# Altium PCB dcb_split_v2.PcbDoc (part 1 of 3) (continued)
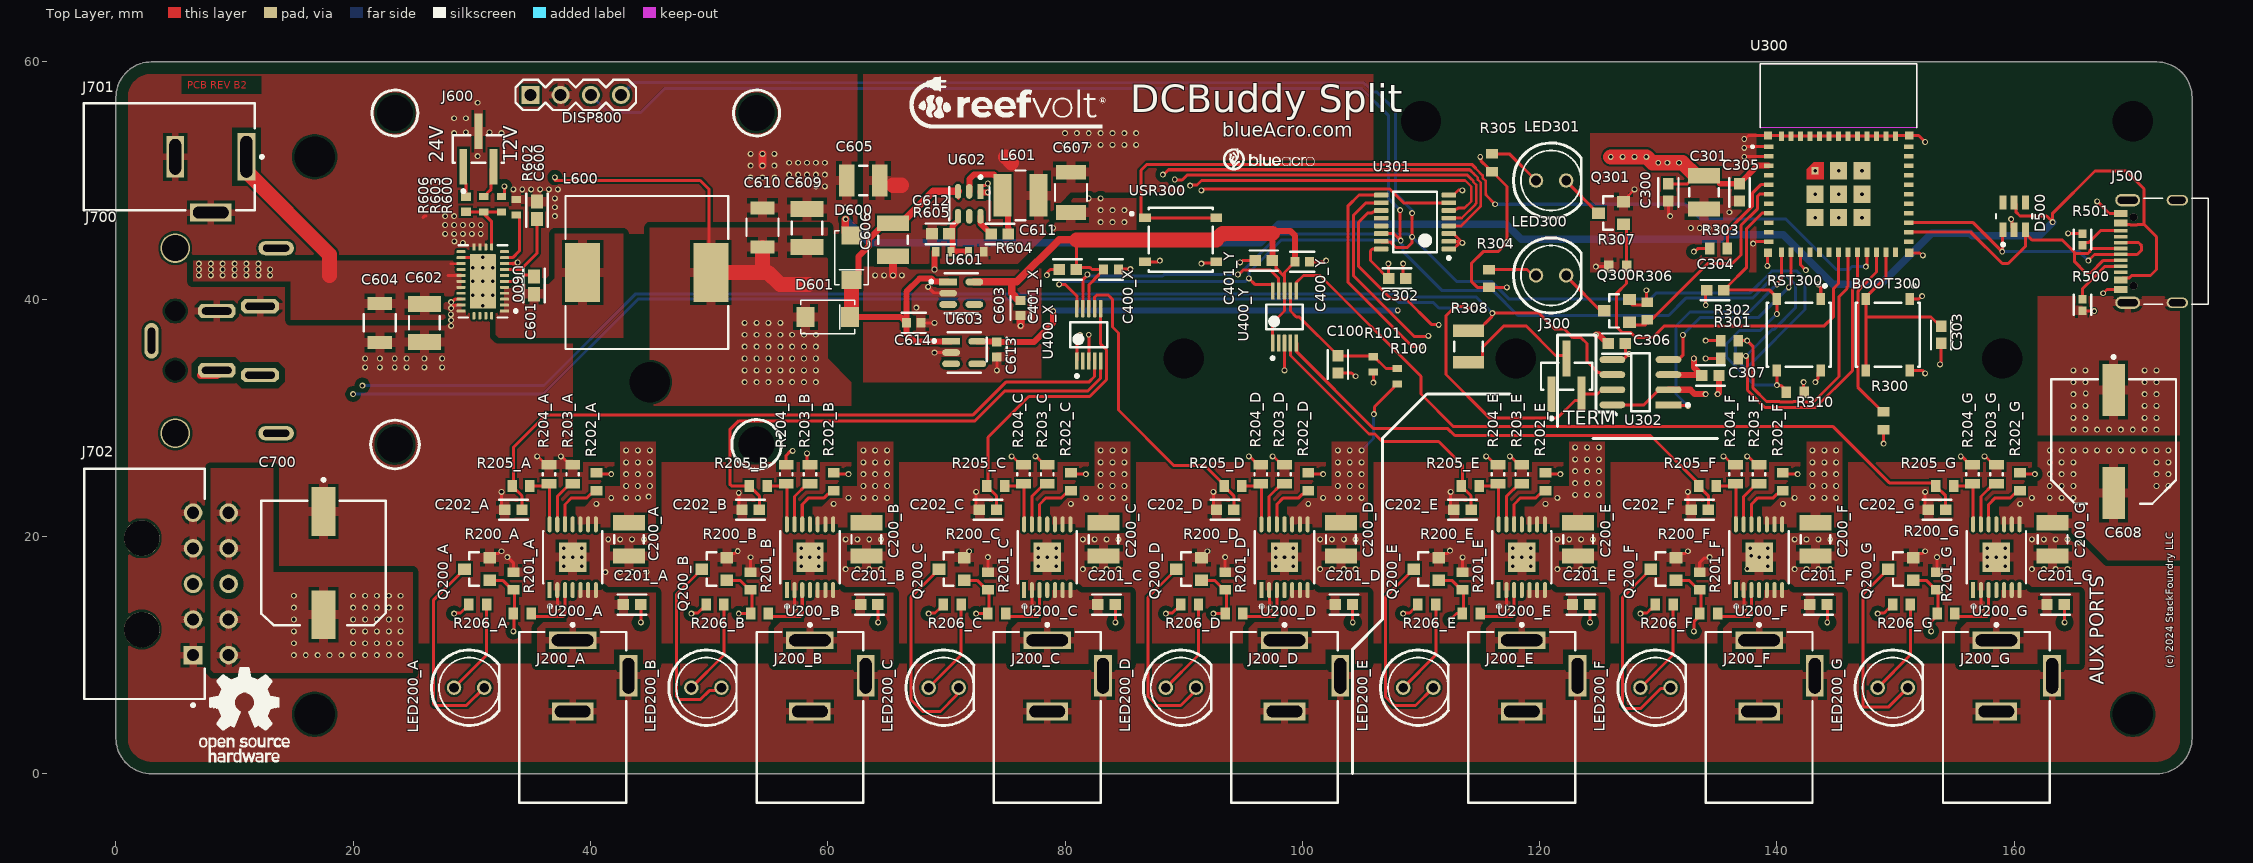
[diagram p0: Top Layer view]
## Classes and differential pairs
net class HV: VIN VO_A VO_B VO_C VO_D VO_E VO_F VO_G
component class U_dcb_i2c_ext: DISP800
channel class dcb_single_channel: A B C D E F G
channel class dcb_lite_adc: X Y
component class U_usb_input: D500 J500 R500 R501
component class U_dcdc_60v_12v: C600 C601 C602 C603 C604 C605 C606 C607 C608 C609 C610 C611 C612 C613 C614 D600 D601 J600 L600 L601 R600 R602 R603 R604 R605 R606 U600 U601 U602 U603
component class U_dcb_single_input: C700 J700 J701 J702
component class U_dcb_lite_logic: BOOT300 C300 C301 C302 C303 C304 C305 C306 C307 J300 LED300 LED301 Q300 Q301 R300 R301 R302 R303 R304 R305 R306 R307 R308 R310 RST300 U300 U301 U302 USR300
component class dcb_top: C100 R100 R101
component class G: C200_G C201_G C202_G J200_G LED200_G Q200_G R200_G R201_G R202_G R203_G R204_G R205_G R206_G U200_G
component class F: C200_F C201_F C202_F J200_F LED200_F Q200_F R200_F R201_F R202_F R203_F R204_F R205_F R206_F U200_F
component class E: C200_E C201_E C202_E J200_E LED200_E Q200_E R200_E R201_E R202_E R203_E R204_E R205_E R206_E U200_E
component class D: C200_D C201_D C202_D J200_D LED200_D Q200_D R200_D R201_D R202_D R203_D R204_D R205_D R206_D U200_D
component class C: C200_C C201_C C202_C J200_C LED200_C Q200_C R200_C R201_C R202_C R203_C R204_C R205_C R206_C U200_C
component class B: C200_B C201_B C202_B J200_B LED200_B Q200_B R200_B R201_B R202_B R203_B R204_B R205_B R206_B U200_B
component class A: C200_A C201_A C202_A J200_A LED200_A Q200_A R200_A R201_A R202_A R203_A R204_A R205_A R206_A U200_A
component class Y: C400_Y C401_Y U400_Y
component class X: C400_X C401_X U400_X

## Components (designator, comment, footprint, x,y, rotation, side; value= is the part's Value field where it differs from the comment)
BOOT300 "PTS526SK15SMTR2LFS" FP-PTS526SK15SMTR2LFS-MFG 149.35,37 r270 top
C100 "CAP 1uF 10V X7R 0603" FP-CL10-IPC_B 103,34.5 r270 top
C200_A "CAP 4.7uF 50V X7R 1210" CAPC3225X20N 43.25,19.75 r90 top value=4.7uF (schematic designator C200)
C200_B "CAP 4.7uF 50V X7R 1210" CAPC3225X20N 63.25,19.75 r90 top value=4.7uF (schematic designator C200)
C200_C "CAP 4.7uF 50V X7R 1210" CAPC3225X20N 83.25,19.75 r90 top value=4.7uF (schematic designator C200)
C200_D "CAP 4.7uF 50V X7R 1210" CAPC3225X20N 103.25,19.75 r90 top value=4.7uF (schematic designator C200)
C200_E "CAP 4.7uF 50V X7R 1210" CAPC3225X20N 123.25,19.75 r90 top value=4.7uF (schematic designator C200)
C200_F "CAP 4.7uF 50V X7R 1210" CAPC3225X20N 143.25,19.75 r90 top value=4.7uF (schematic designator C200)
C200_G "CAP 4.7uF 50V X7R 1210" CAPC3225X20N 163.25,19.75 r90 top value=4.7uF (schematic designator C200)
C201_A "CAP 0.1uF 50V X7R 0603" FP-CL10-IPC_B 43.5,14.25 r0 top value=0.1uF (schematic designator C201)
C201_B "CAP 0.1uF 50V X7R 0603" FP-CL10-IPC_B 63.5,14.25 r0 top value=0.1uF (schematic designator C201)
C201_C "CAP 0.1uF 50V X7R 0603" FP-CL10-IPC_B 83.5,14.25 r0 top value=0.1uF (schematic designator C201)
C201_D "CAP 0.1uF 50V X7R 0603" FP-CL10-IPC_B 103.5,14.25 r0 top value=0.1uF (schematic designator C201)
C201_E "CAP 0.1uF 50V X7R 0603" FP-CL10-IPC_B 123.5,14.25 r0 top value=0.1uF (schematic designator C201)
C201_F "CAP 0.1uF 50V X7R 0603" FP-CL10-IPC_B 143.5,14.25 r0 top value=0.1uF (schematic designator C201)
C201_G "CAP 0.1uF 50V X7R 0603" FP-CL10-IPC_B 163.5,14.25 r0 top value=0.1uF (schematic designator C201)
C202_A "CAP 0.1uF 50V X7R 0603" FP-CL10-IPC_B 33.5,22.25 r180 top value=0.1uF (schematic designator C202)
C202_B "CAP 0.1uF 50V X7R 0603" FP-CL10-IPC_B 53.5,22.25 r180 top value=0.1uF (schematic designator C202)
C202_C "CAP 0.1uF 50V X7R 0603" FP-CL10-IPC_B 73.5,22.25 r180 top value=0.1uF (schematic designator C202)
C202_D "CAP 0.1uF 50V X7R 0603" FP-CL10-IPC_B 93.5,22.25 r180 top value=0.1uF (schematic designator C202)
C202_E "CAP 0.1uF 50V X7R 0603" FP-CL10-IPC_B 113.5,22.25 r180 top value=0.1uF (schematic designator C202)
C202_F "CAP 0.1uF 50V X7R 0603" FP-CL10-IPC_B 133.5,22.25 r180 top value=0.1uF (schematic designator C202)
C202_G "CAP 0.1uF 50V X7R 0603" FP-CL10-IPC_B 153.5,22.25 r180 top value=0.1uF (schematic designator C202)
C300 "CAP 0.1uF 50V X7R 0603" FP-CL10-IPC_B 130.85,49 r270 top value=0.1uF
C301 "CAP 4.7uF 50V X7R 1210" CAPC3225X20N 133.85,49 r90 top value=4.7uF
C302 "CAP 1uF 10V X7R 0603" FP-CL10-IPC_B 108,41.75 r0 top
C303 "CAP 0.1uF 50V X7R 0603" FP-CL10-IPC_B 153.85,37 r270 top value=0.1uF
C304 "CAP 1uF 10V X7R 0603" FP-CL10-IPC_B 134.806,40.758 r180 top
C305 "CAP 0.1uF 50V X7R 0603" FP-CL10-IPC_B 136.85,49 r270 top value=0.1uF
C306 "CAP 0.1uF 50V X7R 0603" FP-CL10-IPC_B 126.5,36.25 r180 top value=0.1uF
C307 "CAP 0.1uF 50V X7R 0603" FP-CL10-IPC_B 134.4,33.571 r0 top value=0.1uF
C400_X "CAP 4.7uF 0603 6.3V X7R" FP-CL10-IPC_C 83.873,42.5 r0 top value=4.7uF (schematic designator C400)
C400_Y "CAP 4.7uF 0603 6.3V X7R" FP-CL10-IPC_C 100,43.151 r0 top value=4.7uF (schematic designator C400)
C401_X "CAP 0.1uF 50V X7R 0603" FP-CL10-IPC_B 80.227,42.5 r180 top value=0.1uF (schematic designator C401)
C401_Y "CAP 0.1uF 50V X7R 0603" FP-CL10-IPC_B 96.75,43.25 r180 top value=0.1uF (schematic designator C401)
C600 "CAP 2.2uF 0603 16V X6S" FP-C1608-080-0_1-IPC_A 35.5,47.5 r90 top value=2.2uF
C601 "CAP 0.47uF 50V 0603" FP-C1608-080-0_1-IPC_A 35.25,41.159 r90 top value=470nF
C602 "CAP 0.47uF 1210 50V X7R" CAPC1210(3225)230_M 26,38 r90 top value=470nF
C603 "CAP 4.7uF 0603 6.3V X7R" FP-CL10-IPC_C 76.25,39.25 r270 top value=4.7uF
C604 "CAP 10uF 1210 63V X7R" FP-GRM32E-0_2-0_3-MFG 22.25,38 r270 top value=10uF
C605 "CAP 4.7uF 50V X7R 1210" CAPC3225X20N 63,50 r0 top value=4.7uF
C606 "CAP 4.7uF 50V X7R 1210" CAPC3225X20N 65.5,45 r90 top value=4.7uF
C607 "CAP 22uF 25V 1210 X7R" FP-1210-L_3_2_0_3-W_2_5_0-MFG 80.5,49 r270 top value=22uF
C608 "CAP 120uF 35V Poly 10mm" FP-OS-CON-SMT-F12-MFG 168.388,28 r270 top value=120uF
C609 "CAP 0.47uF 1210 50V X7R" CAPC1210(3225)230_M 58.25,46 r270 top value=470nF
C610 "CAP 10uF 1210 63V X7R" FP-GRM32E-0_2-0_3-MFG 54.5,46.05 r90 top value=10uF
C611 "CAP 0.1uF 50V X7R 0603" FP-CL10-IPC_B 74.5,45.5 r0 top value=0.1uF
C612 "C0603C560J5GACTU" FP-C0603C-CF-IPC_B 69.5,45.5 r0 top value=56pF
C613 "CAP 4.7uF 0603 6.3V X7R" FP-CL10-IPC_C 74.25,35.75 r270 top value=4.7uF
C614 "CAP 4.7uF 0603 6.3V X7R" FP-CL10-IPC_C 67.25,38 r0 top value=4.7uF
C700 "CAP 56uF 63V Poly 10mm" FP-FKG-MFG 17.5,17.75 r270 top value=56uF
D500 "USBLC6-4SC6" FP-SOT23-6L-MFG 160,47 r90 top value=4pF
D600 "SS14" SMA 62,43.5 r90 top
D601 "SS14" SMA 60,38.5 r180 top
DISP800 "OLED_1_3_CARRIERBOARD" OLED_1_3_CARRIERBOARD-Footprint-1 34.95,57.214 r0 top locked
J200_A "PJ-0XX" CUI-PJ-002A_V 38.5,8.25 r270 top (schematic designator J200)
J200_B "PJ-0XX" CUI-PJ-002A_V 58.5,8.25 r270 top (schematic designator J200)
J200_C "PJ-0XX" CUI-PJ-002A_V 78.5,8.25 r270 top (schematic designator J200)
J200_D "PJ-0XX" CUI-PJ-002A_V 98.5,8.25 r270 top (schematic designator J200)
J200_E "PJ-0XX" CUI-PJ-002A_V 118.5,8.25 r270 top (schematic designator J200)
J200_F "PJ-0XX" CUI-PJ-002A_V 138.5,8.25 r270 top (schematic designator J200)
J200_G "PJ-0XX" CUI-PJ-002A_V 158.5,8.25 r270 top (schematic designator J200)
J300 "M50-3630342R" FP-M50-3630342R-MFG 122.27,33.5 r0 top
J500 "10155435-00011LF" AMPHENOL_10155435-00011LF 173.75,44.021 r90 top
J600 "M50-3630342R" FP-M50-3630342R-MFG 30.554,52.651 r0 top
J700 "DIN4PWR" PD40S 3,36.5 r90 top
J701 "PJ-0XX" CUI-PJ-002A_V 8,52 r180 top
J702 "43045-1001" FP-43045-1001-MFG 2.535,16 r270 top
L600 "IHLP5050FDER100M01" FP-IHLP-5050FD-FP_2_945x4-MFG 44.75,42.25 r0 top value=10uH
L601 "SRN4018-4R7M" FP-SRN4018-MFG 76.25,48.75 r0 top value=4.7uH
LED200_A "LED_INDICATOR" LED5MM 31.04,7.25 r0 top (schematic designator LED200)
LED200_B "LED_INDICATOR" LED5MM 51.04,7.25 r0 top (schematic designator LED200)
LED200_C "LED_INDICATOR" LED5MM 71.04,7.25 r0 top (schematic designator LED200)
LED200_D "LED_INDICATOR" LED5MM 91.04,7.25 r0 top (schematic designator LED200)
LED200_E "LED_INDICATOR" LED5MM 111.04,7.25 r0 top (schematic designator LED200)
LED200_F "LED_INDICATOR" LED5MM 131.04,7.25 r0 top (schematic designator LED200)
LED200_G "LED_INDICATOR" LED5MM 151.04,7.25 r0 top (schematic designator LED200)
LED300 "LED_INDICATOR" LED5MM 122.24,42 r0 top
LED301 "LED_INDICATOR" LED5MM 122.24,50 r0 top
Q200_A "NFET" SOT23-3 30.5,17.25 r90 top (schematic designator Q200)
Q200_B "NFET" SOT23-3 50.5,17.25 r90 top (schematic designator Q200)
Q200_C "NFET" SOT23-3 70.5,17.25 r90 top (schematic designator Q200)
Q200_D "NFET" SOT23-3 90.5,17.25 r90 top (schematic designator Q200)
Q200_E "NFET" SOT23-3 110.5,17.25 r90 top (schematic designator Q200)
Q200_F "NFET" SOT23-3 130.5,17.25 r90 top (schematic designator Q200)
Q200_G "NFET" SOT23-3 150.5,17.25 r90 top (schematic designator Q200)
Q300 "NFET" SOT23-3 126.579,39.008 r90 top
Q301 "NFET" SOT23-3 126.079,47.258 r90 top
R100 "100k 0603 1%" RESC1608-IPC-LL 108,33.5 r270 top value=100k
R101 "12k 0603 1%" RESC1608X55X25LL10T15 106,34.5 r90 top value=12kR
R200_A "10K 0603 1%" RESC1608-IPC-ML 33.5,16.25 r90 top value=10k (schematic designator R200)
R200_B "10K 0603 1%" RESC1608-IPC-ML 53.5,16.25 r90 top value=10k (schematic designator R200)
R200_C "10K 0603 1%" RESC1608-IPC-ML 73.5,16.25 r90 top value=10k (schematic designator R200)
R200_D "10K 0603 1%" RESC1608-IPC-ML 93.5,16.25 r90 top value=10k (schematic designator R200)
R200_E "10K 0603 1%" RESC1608-IPC-ML 113.5,16.25 r90 top value=10k (schematic designator R200)
R200_F "10K 0603 1%" RESC1608-IPC-ML 133.5,16.25 r90 top value=10k (schematic designator R200)
R200_G "10K 0603 1%" RESC1608-IPC-ML 153.5,16.25 r90 top value=10k (schematic designator R200)
R201_A "4.7k 0603 1%" RESC1608-IPC-ML 34.25,13.5 r0 top (schematic designator R201)
R201_B "4.7k 0603 1%" RESC1608-IPC-ML 54.25,13.5 r0 top (schematic designator R201)
R201_C "4.7k 0603 1%" RESC1608-IPC-ML 74.25,13.5 r0 top (schematic designator R201)
R201_D "4.7k 0603 1%" RESC1608-IPC-ML 94.25,13.5 r0 top (schematic designator R201)
R201_E "4.7k 0603 1%" RESC1608-IPC-ML 114.25,13.5 r0 top (schematic designator R201)
R201_F "4.7k 0603 1%" RESC1608-IPC-ML 134.25,13.5 r0 top (schematic designator R201)
R201_G "4.7k 0603 1%" RESC1608-IPC-ML 154.25,13.5 r0 top (schematic designator R201)
R202_A "4.7k 0603 1%" RESC1608-IPC-ML 40.5,24.6 r270 top (schematic designator R202)
R202_B "4.7k 0603 1%" RESC1608-IPC-ML 60.5,24.6 r270 top (schematic designator R202)
R202_C "4.7k 0603 1%" RESC1608-IPC-ML 80.5,24.6 r270 top (schematic designator R202)
R202_D "4.7k 0603 1%" RESC1608-IPC-ML 100.5,24.6 r270 top (schematic designator R202)
R202_E "4.7k 0603 1%" RESC1608-IPC-ML 120.5,24.6 r270 top (schematic designator R202)
R202_F "4.7k 0603 1%" RESC1608-IPC-ML 140.5,24.6 r270 top (schematic designator R202)
R202_G "4.7k 0603 1%" RESC1608-IPC-ML 160.5,24.6 r270 top (schematic designator R202)
R203_A "RC0805FR-07470RL" RESC2013X60X35LL10T20 38.5,25.25 r270 top value=470R (schematic designator R203)
R203_B "RC0805FR-07470RL" RESC2013X60X35LL10T20 58.5,25.25 r270 top value=470R (schematic designator R203)
R203_C "RC0805FR-07470RL" RESC2013X60X35LL10T20 78.5,25.25 r270 top value=470R (schematic designator R203)
R203_D "RC0805FR-07470RL" RESC2013X60X35LL10T20 98.5,25.25 r270 top value=470R (schematic designator R203)
R203_E "RC0805FR-07470RL" RESC2013X60X35LL10T20 118.5,25.25 r270 top value=470R (schematic designator R203)
R203_F "RC0805FR-07470RL" RESC2013X60X35LL10T20 138.5,25.25 r270 top value=470R (schematic designator R203)
R203_G "RC0805FR-07470RL" RESC2013X60X35LL10T20 158.5,25.25 r270 top value=470R (schematic designator R203)
R204_A "RC0805FR-07470RL" RESC2013X60X35LL10T20 36.5,25.25 r270 top value=470R (schematic designator R204)
R204_B "RC0805FR-07470RL" RESC2013X60X35LL10T20 56.5,25.25 r270 top value=470R (schematic designator R204)
R204_C "RC0805FR-07470RL" RESC2013X60X35LL10T20 76.5,25.25 r270 top value=470R (schematic designator R204)
R204_D "RC0805FR-07470RL" RESC2013X60X35LL10T20 96.5,25.25 r270 top value=470R (schematic designator R204)
R204_E "RC0805FR-07470RL" RESC2013X60X35LL10T20 116.5,25.25 r270 top value=470R (schematic designator R204)
R204_F "RC0805FR-07470RL" RESC2013X60X35LL10T20 136.5,25.25 r270 top value=470R (schematic designator R204)
R204_G "RC0805FR-07470RL" RESC2013X60X35LL10T20 156.5,25.25 r270 top value=470R (schematic designator R204)
R205_A "4.7k 0603 1%" RESC1608-IPC-ML 34.15,24.25 r180 top (schematic designator R205)
R205_B "4.7k 0603 1%" RESC1608-IPC-ML 54.15,24.25 r180 top (schematic designator R205)
R205_C "4.7k 0603 1%" RESC1608-IPC-ML 74.15,24.25 r180 top (schematic designator R205)
R205_D "4.7k 0603 1%" RESC1608-IPC-ML 94.15,24.25 r180 top (schematic designator R205)
R205_E "4.7k 0603 1%" RESC1608-IPC-ML 114.15,24.25 r180 top (schematic designator R205)
R205_F "4.7k 0603 1%" RESC1608-IPC-ML 134.15,24.25 r180 top (schematic designator R205)
R205_G "4.7k 0603 1%" RESC1608-IPC-ML 154.15,24.25 r180 top (schematic designator R205)
R206_A "220R 0603 5%" RESC1608-IPC-ML 30.5,14.25 r180 top value=220 (schematic designator R206)
R206_B "220R 0603 5%" RESC1608-IPC-ML 50.5,14.25 r180 top value=220 (schematic designator R206)
R206_C "220R 0603 5%" RESC1608-IPC-ML 70.5,14.25 r180 top value=220 (schematic designator R206)
R206_D "220R 0603 5%" RESC1608-IPC-ML 90.5,14.25 r180 top value=220 (schematic designator R206)
R206_E "220R 0603 5%" RESC1608-IPC-ML 110.5,14.25 r180 top value=220 (schematic designator R206)
R206_F "220R 0603 5%" RESC1608-IPC-ML 130.5,14.25 r180 top value=220 (schematic designator R206)
R206_G "220R 0603 5%" RESC1608-IPC-ML 150.5,14.25 r180 top value=220 (schematic designator R206)
R300 "10K 0603 1%" RESC1608-IPC-ML 149,29.75 r270 top value=10k
R301 "10K 0603 1%" RESC1608-IPC-ML 136,35 r180 top value=10k
R302 "10K 0603 1%" RESC1608-IPC-ML 136,36.5 r180 top value=10k
R303 "10K 0603 1%" RESC1608-IPC-ML 135.079,44.258 r180 top value=10k
R304 "220R 0603 5%" RESC1608-IPC-ML 115.75,41.75 r270 top value=220
R305 "220R 0603 5%" RESC1608-IPC-ML 116,51.5 r270 top value=220
R306 "10K 0603 1%" RESC1608-IPC-ML 129.079,39.008 r270 top value=10k
R307 "10K 0603 1%" RESC1608-IPC-ML 126.579,42.758 r0 top value=10k
R308 "120R 1210 5%" RESC3225X70X50LL20T20 114,36 r90 top value=120R
R310 "10K 0603 1%" RESC1608-IPC-ML 141.56,32.153 r0 top value=10k
R500 "AC0402FR-075K1L" FP-AC0402-IPC_A 165.75,39.521 r90 top value=5.1kR
R501 "AC0402FR-075K1L" FP-AC0402-IPC_A 165.75,45.021 r270 top value=5.1kR
R600 "100k 0603 1%" RESC1608-IPC-LL 32.5,48 r90 top value=100k
R602 "97.6k 0603 1%" RESC1608-IPC-LL 33.75,47.75 r90 top value=97.6k
R603 "9.09k 0603 1%" RESC1608-IPC-LL 31,48 r270 top value=9.09k
R604 "100k 0603 1%" RESC1608-IPC-LL 72.5,44 r0 top
R605 "22.1k 0603 0.1%" RESC1608-IPC-LL 69.75,44 r0 top value=22.1k
R606 "4.32k 0603 1%" RESC1608X55X30LL15T15 29.5,48 r270 top value=4.32kR
RST300 "PTS526SK15SMTR2LFS" FP-PTS526SK15SMTR2LFS-MFG 141.85,37 r270 top
U200_A "TPS1H100BQPWPRQ1" FP-PWP0014C-IPC_C 38.5,18.25 r90 top (schematic designator U200)
U200_B "TPS1H100BQPWPRQ1" FP-PWP0014C-IPC_C 58.5,18.25 r90 top (schematic designator U200)
U200_C "TPS1H100BQPWPRQ1" FP-PWP0014C-IPC_C 78.5,18.25 r90 top (schematic designator U200)
U200_D "TPS1H100BQPWPRQ1" FP-PWP0014C-IPC_C 98.5,18.25 r90 top (schematic designator U200)
U200_E "TPS1H100BQPWPRQ1" FP-PWP0014C-IPC_C 118.5,18.25 r90 top (schematic designator U200)
U200_F "TPS1H100BQPWPRQ1" FP-PWP0014C-IPC_C 138.5,18.25 r90 top (schematic designator U200)
U200_G "TPS1H100BQPWPRQ1" FP-PWP0014C-IPC_C 158.5,18.25 r90 top (schematic designator U200)
U300 "ESP32-C3-MINI-1-N4" XCVR_ESP32-C3-MINI-1-N4 145.2,51.55 r0 top
U301 "PCA9554APW" PW0016A_L 109.5,46.5 r180 top
U302 "TCAN1044VDRQ1" FP-D0008A-IPC_B 128.5,33 r180 top
U400_X "ADS1115IDGSR" FP-DGS0010A-MFG 82,37 r90 top (schematic designator U400)
U400_Y "ADS1115IDGSR" FP-DGS0010A-MFG 98.5,38.5 r90 top (schematic designator U400)
U600 "LM76005RNPR" FP-RNP0030A-MFG 30.925,41.5 r180 top
U601 "TPS70950DBVT" FP-DBV0005A-IPC_B 71.25,40.5 r0 top
U602 "TPS54202DDCR" FP-DDC0006A-IPC_C 71.928,48.033 r270 top
U603 "TPS70950DBVT" FP-DBV0005A-IPC_B 71.5,35.5 r0 top
USR300 "PTS526SK15SMTR2LFS" FP-PTS526SK15SMTR2LFS-MFG 89.75,45 r0 top

## Footprints (in the part's own frame and the unit in brackets; to place one, negate y for a bottom-side part, rotate by r counter-clockwise, add the part's x,y. Pads: shape width x height; smd on the part's side, far side on the other; paste and mask are expansions set on the pad)
AMPHENOL_10155435-00011LF [mm]
  rect 0.6x1.14 smd: A1_B12(-3.2,4.75) A4_B9(-2.4,4.75) B1_A12(3.2,4.75) B4_A9(2.4,4.75)
  rect 0.3x1.14 smd: A5(-1.25,4.75) A6(-0.25,4.75) A7(0.25,4.75) A8(1.25,4.75) B5(1.75,4.75) B6(0.75,4.75) B7(-0.75,4.75) B8(-1.75,4.75)
  oval 1.05x2.1 hole 0.6 slot 1.7 at 90 deg: SH1(-4.32,4.18) SH2(4.32,4.18)
  oval 0.9x1.8 hole 0.6 slot 1.4 at 90 deg: SH3(-4.32,0) SH4(4.32,0)
  round 0.65 hole 0.65 unplated: ""(-2.89,3.68) ""(2.89,3.68)
  silkscreen extent -4.47,-2.6 4.47,2.81, body extent -4.47,-2.6 4.47,5, height 3.26
CAPC1210(3225)230_M [mm] "Chip Capacitor, Body 3.2x2.5mm, Height 2.3mm, IPC Low Density"
  rect 1.35x2.8 smd: 1(-1.6,0) 2(1.6,0)
  silkscreen extent -0.55,-1.3 0.55,1.3, body extent -1.7,-1.35 1.7,1.35, height 2.3
CAPC3225X20N [mm] "Chip Capacitor, 2-Leads, Body 3.20x2.50mm, IPC Medium Density"
  rect 1.3x2.7 smd: 1(-1.4,0) 2(1.4,0)
  silkscreen extent -0.35,-1.25 0.35,1.25, body extent -1.7,-1.35 1.7,1.35, height 2
CUI-PJ-002A_V [mm] "THD, 3-Leads, Body 14.4x9mm, Height 11mm"
  rect 1.5x4 hole 1 slot 3.5 at 90 deg: 1(-3,0)
  rect 1.5x3.5 hole 1 slot 3 at 90 deg: 2(3,0)
  rect 3.5x1.5 hole 1 slot 3 at 0 deg: 3(0,4.7)
  silkscreen extent -4.42,-4.5 10.7,4.5, body extent -3.7,-4.5 10.7,4.9, height 11
FP-1210-L_3_2_0_3-W_2_5_0-MFG [mm]
  rect 1.25x2.5 smd paste+0 mask+0: 1(-1.7,0) 2(1.7,0)
  silkscreen extent -0.7,-1.35 0.7,1.35, body extent -2.42,-1.45 2.42,1.45, height 0.25
FP-43045-1001-MFG [mm]
  rect 1.57x1.57 hole 1.02 paste-2539.97 mask+0: 1(6,3.965)
  round 1.57 hole 1.02 paste-2539.97 mask+0: 2(3,3.965) 3(0,3.965) 4(-3,3.965) 5(-6,3.965) 6(6,6.965) 7(3,6.965) 8(0,6.965) 9(-3,6.965) 10(-6,6.965)
  round 3 hole 3 unplated paste-2539.97 mask+0: ""(-3.85,-0.355) ""(3.85,-0.355)
  silkscreen extent -9.7,-5.21 10.35,4.95, body extent -9.8,-5.31 9.8,7.85, height 0.25
FP-AC0402-IPC_A [mm]
  rect 0.715x0.672 smd paste+0 mask+0: 1(-0.479,0) 2(0.479,0)
  silkscreen extent -0.84,-0.74 0.84,0.74, body extent -1.04,-0.54 1.04,0.54, height 0.25
FP-C0603C-CF-IPC_B [mm]
  rect 1.007x0.958 smd paste+0 mask+0: 1(-0.726,0) 2(0.726,0)
  silkscreen extent -1.23,-0.88 1.23,0.88, body extent -1.48,-0.73 1.48,0.73, height 0.25
FP-C1608-080-0_1-IPC_A [mm]
  rect 1.2x1.012 smd paste+0 mask+0: 1(-0.741,0) 2(0.741,0)
  silkscreen extent -1.41,-0.91 1.41,0.91, body extent -1.91,-1.01 1.91,1.01, height 0.25
FP-CL10-IPC_B [mm]
  rect 0.958x0.912 smd paste+0 mask+0: 1(-0.727,0) 2(0.727,0)
  silkscreen extent -1.21,-0.86 1.21,0.86, body extent -1.46,-0.71 1.46,0.71, height 0.25
FP-CL10-IPC_C [mm]
  rect 0.758x0.812 smd paste+0 mask+0: 1(-0.627,0) 2(0.627,0)
  silkscreen extent -1.01,-0.85 1.01,0.85, body extent -1.11,-0.55 1.11,0.55, height 0.25
FP-D0008A-IPC_B [mm]
  rect 2.169x0.582 smd paste+0 mask+0: 1(-2.364,1.905)
  rrect100% 2.169x0.582 smd paste+0 mask+0: 2(-2.364,0.635) 3(-2.364,-0.635) 4(-2.364,-1.905) 5(2.364,-1.905) 6(2.364,-0.635) 7(2.364,0.635) 8(2.364,1.905)
  silkscreen extent -4.12,-2.45 0.78,2.45, body extent -3.7,-2.7 3.7,2.7, height 0.25
FP-DBV0005A-IPC_B [mm]
  rect 1.505x0.572 smd paste+0 mask+0: 1(-1.1,0.95)
  rrect100% 1.505x0.572 smd paste+0 mask+0: 2(-1.1,0) 3(-1.1,-0.95) 4(1.1,-0.95) 5(1.1,0.95)
  silkscreen extent -2.65,-1.7 1.4,1.7, body extent -2.1,-1.7 2.1,1.7, height 0.25
FP-DDC0006A-IPC_C [mm]
  rect 1.254x0.532 smd paste+0 mask+0: 1(-1.05,0.95)
  rrect100% 1.254x0.532 smd paste+0 mask+0: 2(-1.05,0) 3(-1.05,-0.95) 4(1.05,-0.95) 5(1.05,0) 6(1.05,0.95)
  silkscreen extent -2.37,-1.7 1.4,1.7, body extent -1.78,-1.55 1.78,1.55, height 0.25
FP-DGS0010A-MFG [mm]
  rrect33% 1.45x0.3 smd paste+0 mask+0: 1(-2.2,1) 2(-2.2,0.5) 3(-2.2,0) 4(-2.2,-0.5) 5(-2.2,-1) 6(2.2,-1) 7(2.2,-0.5) 8(2.2,0) 9(2.2,0.5) 10(2.2,1)
  silkscreen extent -3.6,-1.55 1.05,1.55, body extent -3.03,-1.8 3.03,1.8, height 0.25
FP-FKG-MFG [mm]
  rect 4.1x2 smd paste+0 mask+0: 1(-4.35,0) 2(4.35,0)
  silkscreen extent -7.15,-5.25 5.25,5.25, body extent -6.5,-5.35 6.5,5.35, height 0.25
FP-GRM32E-0_2-0_3-MFG [mm]
  rect 1.1x2.05 smd paste+0 mask+0: 1(-1.65,0) 2(1.65,0)
  silkscreen extent -0.72,-1.35 0.72,1.35, body extent -2.3,-1.45 2.3,1.45, height 0.25
FP-IHLP-5050FD-FP_2_945x4-MFG [mm]
  rect 2.945x4.95 smd paste+0 mask+0: 1(-5.407,0) 2(5.407,0)
  silkscreen extent -6.85,-6.45 6.85,6.45, body extent -6.98,-6.55 6.98,6.55, height 0.25
FP-M50-3630342R-MFG [mm]
  rect 0.65x3 smd paste+0 mask+0: 1(-1.27,-1.5) 2(0,1.5) 3(1.27,-1.5)
  silkscreen extent -2.15,-3.67 2.15,1.15, body extent -2.25,-3.1 2.25,3.1, height 0.25
FP-OS-CON-SMT-F12-MFG [mm]
  rect 4.4x1.9 smd paste+0 mask+0: 1(-4.35,0) 2(4.35,0)
  silkscreen extent -7.25,-5.25 5.25,5.25, body extent -6.8,-5.5 6.8,5.5, height 0.25
FP-PTS526SK15SMTR2LFS-MFG [mm]
  rect 1x0.7 smd paste+0 mask+0: 1(-3,1.85) 2(3,1.85) 3(-3,-1.85) 4(3,-1.85)
  silkscreen extent -4.25,-2.7 2.7,2.7, body extent -3.6,-2.8 3.6,2.8, height 0.25
FP-PWP0014C-IPC_C [mm]
  rect 1.355x0.341 smd paste+0 mask+0: 1(-2.775,1.95)
  rrect100% 1.355x0.341 smd paste+0 mask+0: 2(-2.775,1.3) 3(-2.775,0.65) 4(-2.775,0) 5(-2.775,-0.65) 6(-2.775,-1.3) 7(-2.775,-1.95) 8(2.775,-1.95) 9(2.775,-1.3) 10(2.775,-0.65) 11(2.775,0) 12(2.775,0.65) 13(2.775,1.3) 14(2.775,1.95)
  rect 2.46x2.31 smd paste-1000 mask+0: 15(0,0)
  silkscreen extent -4.28,-2.5 2.2,2.5, body extent -3.55,-2.6 3.55,2.6, height 0.25
FP-RNP0030A-MFG [mm]
  rrect40% 0.75x0.25 smd paste+0 mask+0: 1(-1.825,2.5) 2(-1.825,2) 3(-1.825,1.5) 4(-1.825,1) 5(-1.825,0.5) 6(-1.825,0) 7(-1.825,-0.5) 8(-1.825,-1) 9(-1.825,-1.5) 10(-1.825,-2) 11(-1.825,-2.5) 16(1.825,-2.5) 17(1.825,-2) 18(1.825,-1.5) 19(1.825,-1) 20(1.825,-0.5) 21(1.825,0) 22(1.825,0.5) 23(1.825,1) 24(1.825,1.5) 25(1.825,2) 26(1.825,2.5)
  rrect40% 0.25x0.6 smd paste+0 mask+0: 12(-0.75,-2.9) 13(-0.25,-2.9) 14(0.25,-2.9) 15(0.75,-2.9) 27(0.75,2.9) 28(0.25,2.9) 29(-0.25,2.9) 30(-0.75,2.9)
  rrect5% 2.2x4.6 smd paste-1000 mask+0: 31(0,0)
  silkscreen extent -2.9,-3.05 2.05,3.05, body extent -2.3,-3.3 2.3,3.3, height 0.25
FP-SOT23-6L-MFG [mm]
  rect 1.2x0.6 smd paste+0 mask+0: 1(-1.15,0.95) 2(-1.15,0) 3(-1.15,-0.95) 4(1.15,-0.95) 5(1.15,0) 6(1.15,0.95)
  silkscreen extent -2.52,-1.53 0.18,1.53, body extent -1.85,-1.63 1.85,1.63, height 0.25
FP-SRN4018-MFG [mm]
  rect 1.5x3.6 smd paste+0 mask+0: 1(-1.525,0) 2(1.525,0)
  silkscreen extent -0.4,-2.1 0.4,2.1, body extent -2,-2 2,2, height 1.66
LED5MM [mil]
  round 48 hole 32: A(-100,0) C(0,0)
  silkscreen extent -175,-125 50,125, body extent -172,-114 44,122, height 335
OLED_1_3_CARRIERBOARD-Footprint-1 [mil]
  rect 60x60 hole 40: 1(0,0)
  round 60 hole 40: 2(100,0) 3(200,0) 4(300,0)
  round 0 hole 120 unplated paste-99999: ""(-450,-1160) ""(-450,-60) ""(750,-1160) ""(750,-60)
  silkscreen extent -531,-1242 832,50, body extent -552,-1263 852,60, height 563
PD40S [mm]
  oct 1.2x3.2 hole 0.6 slot 2.5 at 90 deg: 1(2.9,-9.15) 2(-2.9,-9.15) 3(2.5,-5.5) 4(-2.5,-5.5)
  oval 1.2x3 hole 0.6 slot 2.2 at 90 deg: SHLD(-7.8,-10.5) SHLD(7.8,-10.5)
  oval 3x1.2 hole 0.6 slot 2.2 at 0 deg: SHLD(0,0)
  round 2.5 hole 2.2 unplated: ""(-7.8,-2) ""(7.8,-2)
  round 0 hole 1.7 unplated: ""(-2.5,-2) ""(2.5,-2)
  body extent -7.9,-11.8 8.1,5.6, height 15.01
PW0016A_L [mm] "SOP, 16-Leads, Body 5.1x4.5mm, Pitch 0.65mm, IPC High Density"
  rrect25% 1.2x0.4 smd: 1(-2.85,2.275) 2(-2.85,1.625) 3(-2.85,0.975) 4(-2.85,0.325) 5(-2.85,-0.325) 6(-2.85,-0.975) 7(-2.85,-1.625) 8(-2.85,-2.275) 9(2.85,-2.275) 10(2.85,-1.625) 11(2.85,-0.975) 12(2.85,-0.325) 13(2.85,0.325) 14(2.85,0.975) 15(2.85,1.625) 16(2.85,2.275)
  silkscreen extent -2.98,-2.55 1.85,3.15, body extent -3.21,-2.5 3.21,2.5, height 1
RESC1608-IPC-LL [mm] "Chip Resistor, 2-Leads, Body 1.60x0.80mm, IPC High Density"
  rect 0.6x0.8 smd: 1(-0.65,0) 2(0.65,0)
  body extent -0.8,-0.4 0.8,0.4, height 0.45
RESC1608-IPC-ML [mm] "Chip Resistor, 2-Leads, Body 1.60x0.80mm, IPC Low Density"
  rect 0.8x1 smd: 1(-0.75,0) 2(0.75,0)
  body extent -0.8,-0.4 0.8,0.4, height 0.45
RESC1608X55X25LL10T15 [mm] "Chip Resistor, 2-Leads, Body 1.70x0.90mm, IPC High Density"
  rect 0.6x0.8 smd: 1(-0.65,0) 2(0.65,0)
  body extent -0.85,-0.45 0.85,0.45, height 0.55
RESC1608X55X30LL15T15 [mm] "Chip Resistor, 2-Leads, Body 1.60x0.80mm, IPC High Density"
  rect 0.7x0.85 smd: 1(-0.625,0) 2(0.625,0)
  body extent -0.87,-0.48 0.87,0.48, height 0.55
RESC2013X60X35LL10T20 [mm] "Chip Resistor, 2-Leads, Body 2.1x1.35mm, IPC High Density"
  rect 0.8x1.25 smd: 1(-0.8,0) 2(0.8,0)
  silkscreen extent -0.1,-0.53 0.1,0.53, body extent -1.05,-0.67 1.05,0.68, height 0.6
RESC3225X70X50LL20T20 [mm] "Chip Resistor, 2-Leads, Body 3.20x2.50mm, IPC High Density"
  rect 1.05x2.6 smd: 1(-1.325,0) 2(1.325,0)
  silkscreen extent -0.4,-1.2 0.4,1.2, body extent -1.7,-1.35 1.7,1.35, height 0.7
SMA [mil]
  rect 60x66 smd: A(74,0) K(-74,0)
  silkscreen extent -90,-55 90,55, body extent -108,-55 108,55, height 91
SOT23-3 [mil]
  rect 38x42 smd: 1(-37.4,-39.37) 2(38,-39.37) 3(0,44)
  silkscreen extent -55,-4 56,28, body extent -57,-50 57,60, height 51
XCVR_ESP32-C3-MINI-1-N4 [mm]
  rect 0.8x0.4 smd: 1(-5.9,1.3) 2(-5.9,0.5) 3(-5.9,-0.3) 4(-5.9,-1.1) 5(-5.9,-1.9) 6(-5.9,-2.7) 7(-5.9,-3.5) 8(-5.9,-4.3) 9(-5.9,-5.1) 10(-5.9,-5.9) 11(-5.9,-6.7) 25(5.9,-6.7) 26(5.9,-5.9) 27(5.9,-5.1) 28(5.9,-4.3) 29(5.9,-3.5) 30(5.9,-2.7) 31(5.9,-1.9) 32(5.9,-1.1) 33(5.9,-0.3) 34(5.9,0.5) 35(5.9,1.3)
  rect 0.4x0.8 smd: 12(-4.8,-7.6) 13(-4,-7.6) 14(-3.2,-7.6) 15(-2.4,-7.6) 16(-1.6,-7.6) 17(-0.8,-7.6) 18(0,-7.6) 19(0.8,-7.6) 20(1.6,-7.6) 21(2.4,-7.6) 22(3.2,-7.6) 23(4,-7.6) 24(4.8,-7.6) 36(4.8,2.2) 37(4,2.2) 38(3.2,2.2) 39(2.4,2.2) 40(1.6,2.2) 41(0.8,2.2) 42(0,2.2) 43(-0.8,2.2) 44(-1.6,2.2) 45(-2.4,2.2) 46(-3.2,2.2) 47(-4,2.2) 48(-4.8,2.2)
  rect 0.6x0.6 smd paste-1 mask+0: 49_1(-1.975,-0.725)
  rect 1.45x1.45 smd: 49_2(0,-0.725) 49_3(1.975,-0.725) 49_4(1.975,-2.7) 49_5(1.975,-4.675) 49_6(0,-4.675) 49_7(-1.975,-4.675) 49_8(-1.975,-2.7) 49_9(0,-2.7)
  rect 0.7x0.7 smd: 50(5.95,2.25) 51(5.95,-7.65) 52(-5.95,-7.65) 53(-5.95,2.25)
  Top Layer region: -1.25,-1.45 -2.7,-1.45 -2.7,-0.6 -2.1,0 -1.25,0
  Keep-Out Layer region: 6.6,2.9 -6.6,2.9 -6.6,8.3 6.6,8.3
  Keep-Out Layer region: 6.6,2.9 -6.6,2.9 -6.6,8.3 6.6,8.3
  silkscreen extent -7.35,1.2 6.6,8.3, body extent -6.6,-8.3 6.6,8.3, height 2.55